# KiCad board Decent400-Wide.kicad_pcb
title: Decent400 keyboard; date: 2024-02-18; rev: 2w; company: Decent Consuting
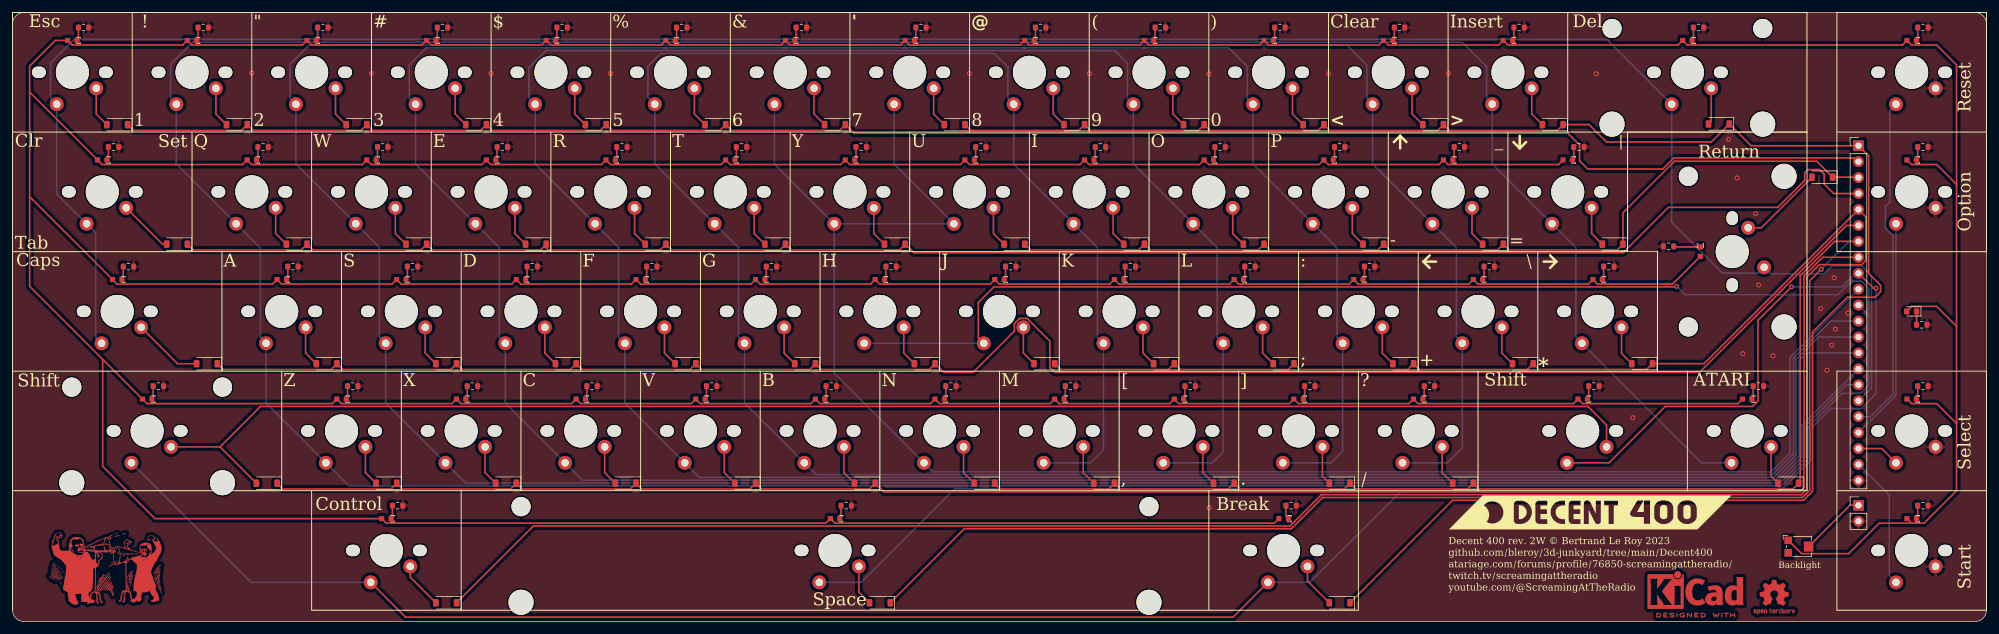
[diagram p0: board, top side]
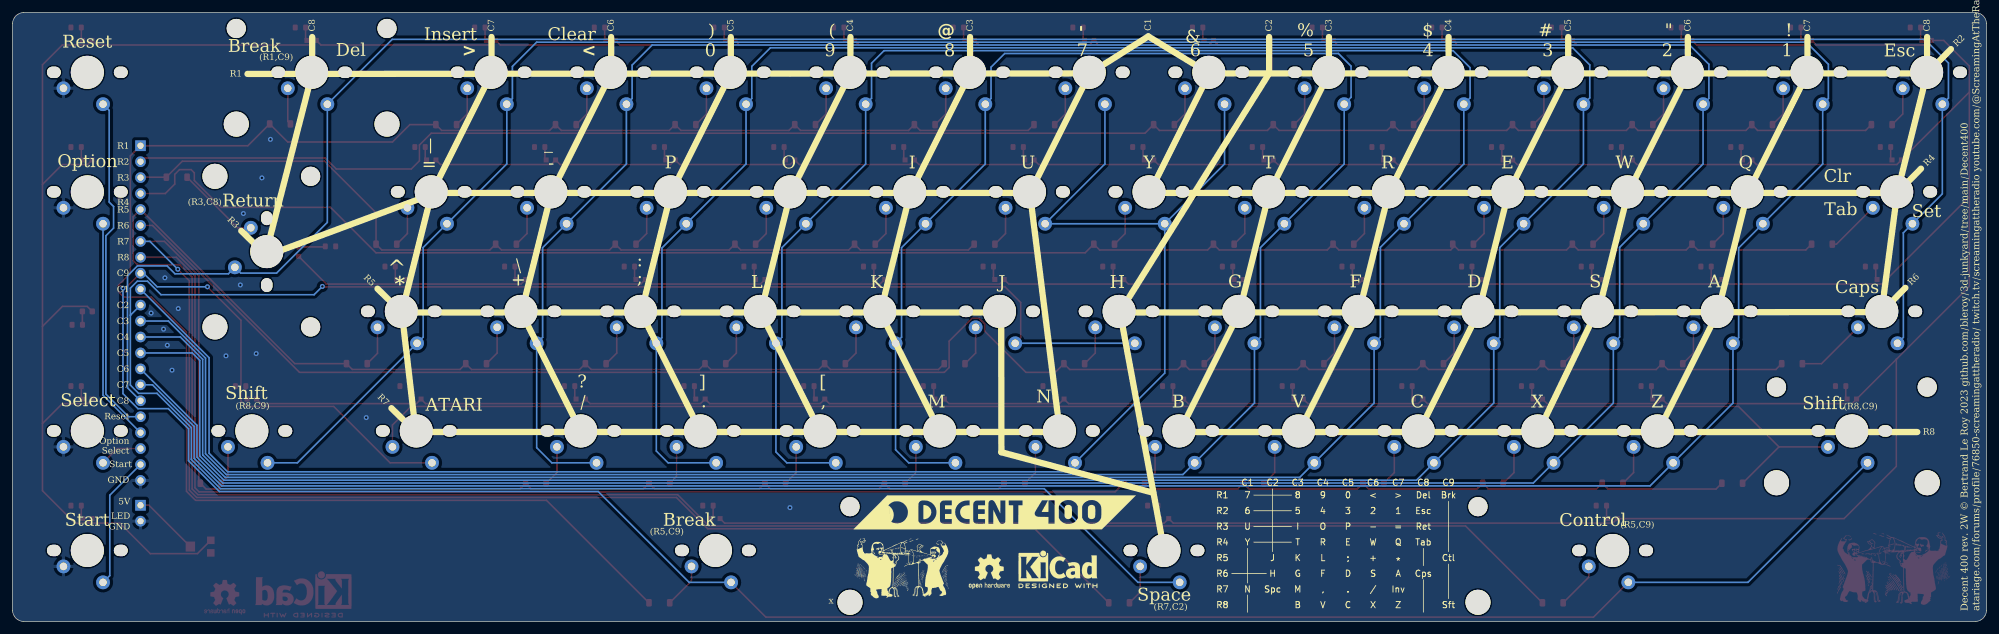
[diagram p1: board, bottom side, seen from below]

Outline 314.33 x 97.04 mm; copper layers: Top, Bottom. Coordinates in mm from the lower left corner of the outline.
Outline path: 0,95.25 arc(0.52,96.51) 1.79,97.04 312.54,97.04 arc(313.8,96.51) 314.33,95.25 314.33,1.79 arc(313.8,0.52) 312.54,0 1.79,0 arc(0.52,0.52) 0,1.79 0,95.25

## Placement (name value [footprint] x y rotation side)
D1  1N4148W  [D_SOD-123]  211.33 2.98 180 top
D2  1N4148W  [D_SOD-123]  69.06 2.98 180 top
D3  1N4148W  [D_SOD-123]  40.48 22.03 180 top
D4  1N4148W  [D_SOD-123]  150.02 79.18 180 top
D5  1N4148W  [D_SOD-123]  130.97 79.18 180 top
D6  1N4148W  [D_SOD-123]  159.54 60.13 180 top
D7  1N4148W  [D_SOD-123]  140.49 60.13 180 top
D8  1N4148W  [D_SOD-123]  154.78 22.03 180 top
D9  1N4148W  [D_SOD-123]  164.31 41.08 180 top
D10  1N4148W  [D_SOD-123]  145.26 41.08 180 top
D11  1N4148W  [D_SOD-123]  138.11 2.98 180 top
D12  1N4148W  [D_SOD-123]  169.07 79.18 180 top
D13  1N4148W  [D_SOD-123]  111.92 79.18 180 top
D14  1N4148W  [D_SOD-123]  178.59 60.13 180 top
D15  1N4148W  [D_SOD-123]  121.44 60.13 180 top
D16  1N4148W  [D_SOD-123]  183.36 41.08 180 top
D17  1N4148W  [D_SOD-123]  126.21 41.08 180 top
D18  1N4148W  [D_SOD-123]  173.83 22.03 180 top
D19  1N4148W  [D_SOD-123]  135.73 22.03 180 top
D20  1N4148W  [D_SOD-123]  188.12 79.18 180 top
D21  1N4148W  [D_SOD-123]  92.87 79.18 180 top
D22  1N4148W  [D_SOD-123]  197.64 60.13 180 top
D23  1N4148W  [D_SOD-123]  102.39 60.13 180 top
D24  1N4148W  [D_SOD-123]  202.41 41.08 180 top
D25  1N4148W  [D_SOD-123]  107.16 41.08 180 top
D26  1N4148W  [D_SOD-123]  192.88 22.03 180 top
D27  1N4148W  [D_SOD-123]  116.68 22.03 180 top
D28  1N4148W  [D_SOD-123]  207.17 79.18 180 top
D29  1N4148W  [D_SOD-123]  73.82 79.18 180 top
D30  1N4148W  [D_SOD-123]  216.69 60.13 180 top
D31  1N4148W  [D_SOD-123]  83.34 60.13 180 top
D32  1N4148W  [D_SOD-123]  221.46 41.08 180 top
D33  1N4148W  [D_SOD-123]  88.11 41.08 180 top
D34  1N4148W  [D_SOD-123]  211.34 22.03 180 top
D35  1N4148W  [D_SOD-123]  97.63 22.03 180 top
D36  1N4148W  [D_SOD-123]  226.22 79.18 180 top
D37  1N4148W  [D_SOD-123]  54.77 79.18 180 top
D38  1N4148W  [D_SOD-123]  235.74 60.13 180 top
D39  1N4148W  [D_SOD-123]  64.29 60.13 180 top
D40  1N4148W  [D_SOD-123]  240.51 41.08 180 top
D41  1N4148W  [D_SOD-123]  69.06 41.08 180 top
D42  1N4148W  [D_SOD-123]  230.98 22.03 180 top
D43  1N4148W  [D_SOD-123]  78.58 22.03 180 top
D44  1N4148W  [D_SOD-123]  245.27 79.18 180 top
D45  1N4148W  [D_SOD-123]  35.72 79.18 180 top
D46  1N4148W  [D_SOD-123]  254.79 60.13 180 top
D47  1N4148W  [D_SOD-123]  45.24 60.13 180 top
D48  1N4148W  [D_SOD-123]  259.5 41.09 180 top
D49  1N4148W  [D_SOD-123]  50.01 41.08 180 top
D50  1N4148W  [D_SOD-123]  282.77 22.03 180 top
D51  1N4148W  [D_SOD-123]  59.53 22.03 180 top
D52  1N4148W  [D_SOD-123]  271.73 79.29 180 top
D53  1N4148W  [D_SOD-123]  16.67 79.18 180 top
D54  1N4148W  [D_SOD-123]  288.19 70.8 180 top
D55  1N4148W  [D_SOD-123]  26.19 60.13 180 top
D56  1N4148W  [D_SOD-123]  30.96 41.08 180 top
D57  LED  [LED_0603_1608Metric]  302.42 49.41 180 top
G***  LOGO  [ScreamingAtTheRadio]  14.89 9.49 0 top
G***#2  -  [LOGO]  251.22 17.39 0 top
G***#3  -  [LOGO]  157.92 17.4 180 bottom
G***#4  -  [LOGO]  172.79 8.49 180 bottom
J1  Conn_01x22  [PinHeader_1x22_P2.54mm_Vertical]  293.95 75.81 0 top
J2  Conn_01x02_Pin  [PinHeader_1x02_P2.54mm_Vertical]  293.95 18.52 0 top
R1  100  [R_0603_1608Metric]  203.59 18.45 0 top
R2  100  [R_0603_1608Metric]  61.32 18.45 0 top
R3  100  [R_0603_1608Metric]  304.02 47.28 0 top
R4  100  [R_0603_1608Metric]  23.22 37.5 0 top
R5  100  [R_0603_1608Metric]  251.82 37.5 0 top
R6  100  [R_0603_1608Metric]  144.66 94.65 0 top
R7  100  [R_0603_1608Metric]  125.61 94.65 0 top
R8  100  [R_0603_1608Metric]  154.19 75.6 0 top
R9  100  [R_0603_1608Metric]  135.14 75.6 0 top
R10  100  [R_0603_1608Metric]  149.42 37.5 0 top
R11  100  [R_0603_1608Metric]  158.95 56.55 0 top
R12  100  [R_0603_1608Metric]  139.9 56.55 0 top
R13  100  [R_0603_1608Metric]  132.75 18.45 0 top
R14  100  [R_0603_1608Metric]  163.71 94.65 0 top
R15  100  [R_0603_1608Metric]  106.56 94.65 0 top
R16  100  [R_0603_1608Metric]  173.24 75.6 0 top
R17  100  [R_0603_1608Metric]  116.09 75.6 0 top
R18  100  [R_0603_1608Metric]  178 56.55 0 top
R19  100  [R_0603_1608Metric]  120.85 56.55 0 top
R20  100  [R_0603_1608Metric]  168.47 37.5 0 top
R21  100  [R_0603_1608Metric]  130.37 37.5 0 top
R22  100  [R_0603_1608Metric]  182.76 94.65 0 top
R23  100  [R_0603_1608Metric]  87.51 94.65 0 top
R24  100  [R_0603_1608Metric]  192.29 75.6 0 top
R25  100  [R_0603_1608Metric]  97.04 75.6 0 top
R26  100  [R_0603_1608Metric]  197.05 56.55 0 top
R27  100  [R_0603_1608Metric]  101.8 56.55 0 top
R28  100  [R_0603_1608Metric]  187.52 37.5 0 top
R29  100  [R_0603_1608Metric]  111.32 37.5 0 top
R30  100  [R_0603_1608Metric]  201.81 94.65 0 top
R31  100  [R_0603_1608Metric]  68.46 94.65 0 top
R32  100  [R_0603_1608Metric]  211.34 75.6 0 top
R33  100  [R_0603_1608Metric]  77.99 75.6 0 top
R34  100  [R_0603_1608Metric]  216.1 56.55 0 top
R35  100  [R_0603_1608Metric]  82.75 56.55 0 top
R36  100  [R_0603_1608Metric]  206.57 37.5 0 top
R37  100  [R_0603_1608Metric]  92.27 37.5 0 top
R38  100  [R_0603_1608Metric]  220.86 94.65 0 top
R39  100  [R_0603_1608Metric]  49.41 94.65 0 top
R40  100  [R_0603_1608Metric]  230.39 75.6 0 top
R41  100  [R_0603_1608Metric]  58.94 75.6 0 top
R42  100  [R_0603_1608Metric]  235.15 56.55 0 top
R43  100  [R_0603_1608Metric]  63.7 56.55 0 top
R44  100  [R_0603_1608Metric]  225.62 37.5 0 top
R45  100  [R_0603_1608Metric]  73.22 37.5 0 top
R46  100  [R_0603_1608Metric]  239.91 94.65 0 top
R47  100  [R_0603_1608Metric]  30.36 94.65 0 top
R48  100  [R_0603_1608Metric]  249.44 75.6 0 top
R49  100  [R_0603_1608Metric]  39.89 75.6 0 top
R50  100  [R_0603_1608Metric]  254.2 56.55 0 top
R51  100  [R_0603_1608Metric]  44.65 56.55 0 top
R52  100  [R_0603_1608Metric]  278.01 37.5 0 top
R53  100  [R_0603_1608Metric]  54.17 37.5 0 top
R54  100  [R_0603_1608Metric]  268.49 94.65 0 top
R55  100  [R_0603_1608Metric]  11.31 94.65 0 top
R56  100  [R_0603_1608Metric]  263.7 59.78 180 top
R57  100  [R_0603_1608Metric]  16.07 75.6 0 top
R58  100  [R_0603_1608Metric]  18.45 56.55 0 top
R61  100  [R_0603_1608Metric]  304.2 18.45 0 top
R62  100  [R_0603_1608Metric]  304.2 37.5 0 top
R63  100  [R_0603_1608Metric]  304.2 75.6 0 top
R64  100  [R_0603_1608Metric]  304.2 94.65 0 top
REF**  -  [Arrow]  225.66 57.34 180 top
REF**#2  -  [Arrow]  244.84 57.34 0 top
REF**#3  -  [Arrow]  240.01 76.39 270 top
REF**#4  -  [KiCad-Logo2_6mm_Copper]  268.01 5.01 0 top
REF**#5  -  [Arrow]  220.96 76.39 90 top
REF**#6  -  [OSHW-Logo2_7.3x6mm_Copper]  280.53 3.86 0 top
REF**#7  -  [OSHW-Logo2_7.3x6mm_SilkScreen]  158.78 7.94 180 bottom
REF**#8  -  [Atari400_Matrix]  103.45 11.64 180 bottom
REF**#9  -  [KiCad-Logo2_5mm_SilkScreen]  147.86 8.32 180 bottom
RV1  R_Potentiometer  [Potentiometer_Bourns_TC33X_Vertical]  284.56 11.93 0 top
SW0  0  [MX-1-00U-LED]  200.02 92.59 0 top
SW1  1  [MX-1-00U-LED]  28.57 92.59 0 top
SW2  2  [MX-1-00U-LED]  47.62 92.59 0 top
SW3  3  [MX-1-00U-LED]  66.67 92.59 0 top
SW4  4  [MX-1-00U-LED]  85.72 92.59 0 top
SW5  5  [MX-1-00U-LED]  104.77 92.59 0 top
SW6  6  [MX-1-00U-LED]  123.82 92.59 0 top
SW7  7  [MX-1-00U-LED]  142.87 92.59 0 top
SW8  8  [MX-1-00U-LED]  161.92 92.59 0 top
SW9  9  [MX-1-00U-LED]  180.97 92.59 0 top
SWA1  A  [MX-1-00U-LED]  42.86 54.49 0 top
SWB1  B  [MX-1-00U-LED]  128.59 35.44 0 top
SWBrk1  Break  [MX-1-25U-LED]  202.41 16.39 0 top
SWC1  C  [MX-1-00U-LED]  90.49 35.44 0 top
SWComma1  Comma  [MX-1-00U-LED]  185.74 35.44 0 top
SWCps1  Caps  [MX-1-75U-LED]  16.67 54.49 0 top
SWCtl1  Control  [MX-1-25U-LED]  59.53 16.39 0 top
SWD1  D  [MX-1-00U-LED]  80.96 54.49 0 top
SWDash1  Dash  [MX-1-00U-LED]  228.6 73.54 0 top
SWDel1  Del  [MX-2-00U-LED]  266.7 92.59 0 top
SWE1  E  [MX-1-00U-LED]  76.2 73.54 0 top
SWEqual1  Equal  [MX-1-00U-LED]  247.65 73.54 0 top
SWEsc1  Esc  [MX-1-00U-LED]  9.52 92.59 0 top
SWF1  F  [MX-1-00U-LED]  100.01 54.49 0 top
SWG1  G  [MX-1-00U-LED]  119.06 54.49 0 top
SWGT1  GreaterThan  [MX-1-00U-LED]  238.12 92.59 0 top
SWH1  H  [MX-1-00U-LED]  138.11 54.49 0 top
SWI1  I  [MX-1-00U-LED]  171.45 73.54 0 top
SWInv1  Atari  [MX-1-00U-LED]  276.22 35.44 0 top
SWJ1  J  [MX-1-00U-LED]  157.16 54.49 0 top
SWK1  K  [MX-1-00U-LED]  176.21 54.49 0 top
SWL1  L  [MX-1-00U-LED]  195.26 54.49 0 top
SWLeftSft1  Shift  [MX-2-25U-LED]  21.43 35.44 0 top
SWLT1  LessThan  [MX-1-00U-LED]  219.07 92.59 0 top
SWM1  M  [MX-1-00U-LED]  166.69 35.44 0 top
SWN1  N  [MX-1-00U-LED]  147.64 35.44 0 top
SWO1  O  [MX-1-00U-LED]  190.5 73.54 0 top
SWOption1  Option  [MX-1-25U-LED]  302.42 73.54 0 top
SWP1  P  [MX-1-00U-LED]  209.55 73.54 0 top
SWPeriod1  Period  [MX-1-00U-LED]  204.79 35.44 0 top
SWPlus1  Plus  [MX-1-00U-LED]  233.36 54.49 0 top
SWQ1  Q  [MX-1-00U-LED]  38.1 73.54 0 top
SWR1  R  [MX-1-00U-LED]  95.25 73.54 0 top
SWReset1  Reset  [MX-1-25U-LED]  302.42 92.59 0 top
SWRet1  Return  [MX-ISO-RETURN]  268.76 58.94 0 top
SWRightSft1  Shift  [MX-1-75U-LED]  250.03 35.44 0 top
SWS1  S  [MX-1-00U-LED]  61.91 54.49 0 top
SWSelect1  Select  [MX-1-25U-LED]  302.42 35.44 0 top
SWSemi1  Semicolon  [MX-1-00U-LED]  214.31 54.49 0 top
SWSlash1  Slash  [MX-1-00U-LED]  223.84 35.44 0 top
SWSpc1  Space  [MX-6-25U-LED]  130.97 16.39 0 top
SWStar1  Star  [MX-1-00U-LED]  252.41 54.49 0 top
SWStart1  Start  [MX-1-25U-LED]  302.42 16.39 0 top
SWT1  T  [MX-1-00U-LED]  114.3 73.54 0 top
SWTab1  Tab  [MX-1-50U-LED]  14.29 73.54 0 top
SWU1  U  [MX-1-00U-LED]  152.4 73.54 0 top
SWV1  V  [MX-1-00U-LED]  109.54 35.44 0 top
SWW1  W  [MX-1-00U-LED]  57.15 73.54 0 top
SWX1  X  [MX-1-00U-LED]  71.44 35.44 0 top
SWY1  Y  [MX-1-00U-LED]  133.35 73.54 0 top
SWZ1  Z  [MX-1-00U-LED]  52.39 35.44 0 top

## Library data of the parts
D1-D56 = -: Datasheet: https://www.vishay.com/docs/85748/1n4148w.pdf; JLCPCB Part #: C81598; ki_fp_filters: D*SOD?123*
D57 = -: JLCPCB Part #: C2286; ki_fp_filters: LED* LED_SMD:* LED_THT:*
J1 J2 = -: ki_fp_filters: Connector*:*_1x??_*
R1-R58 R61-R64 = -: JLCPCB Part #: C22775; ki_fp_filters: R_*
RV1 = -: JLCPCB Part #: C720647; JLCPCB Rotation Offset: 90; Field6: Wiper may be / anywhere within / circle shown; ki_fp_filters: Potentiometer*
SW0-SW9 SWA1 SWB1 SWBrk1 SWC1 SWComma1 SWCps1 SWCtl1 SWD1 SWDash1 SWDel1 SWE1 SWEqual1 SWEsc1 SWF1 SWG1 SWGT1 SWH1 SWI1 SWInv1 SWJ1 SWK1 SWL1 SWLeftSft1 SWLT1 SWM1 SWN1 SWO1 SWOption1 SWP1 SWPeriod1 SWPlus1 SWQ1 SWR1 SWReset1 SWRightSft1 SWS1 SWSelect1 SWSemi1 SWSlash1 SWSpc1 SWStar1 SWStart1 SWT1 SWTab1 SWU1 SWV1 SWW1 SWX1 SWY1 SWZ1 = -: JLCPCB Part #: C193191; JLCPCB Rotation Offset: 180
SWRet1 = -: JLCPCB Part #: C193191; JLCPCB Rotation Offset: 270

## Footprints (pads in the part's own frame, mm; a bottom-side part is the same pattern mirrored in y, then rotated)
D_SOD-123
  rrect 0.9x1.2 smd: 1(-1.65,0) 2(1.65,0)
LED_0603_1608Metric
  rrect 0.875x0.95 smd: 1(-0.787,0) 2(0.787,0)
MX-1-00U-LED
  oval 2.2x1.8 hole 2.2x1.8 unplated: (-5.33,-5.08) (5.33,-5.08)
  round 5.25 hole 5.25 unplated: (0,-5.08)
  round 2.2 hole 1.2: 1(-2.5,-10.16) 2(3.8,-7.62)
  rect 0.8x0.8 smd: 3(0.75,0) 4(-0.75,0)
MX-1-25U-LED
  oval 2.2x1.8 hole 2.2x1.8 unplated: (-5.33,-5.08) (5.33,-5.08)
  round 5.25 hole 5.25 unplated: (0,-5.08)
  round 2.2 hole 1.2: 1(-2.5,-10.16) 2(3.8,-7.62)
  rect 0.8x0.8 smd: 3(0.75,0) 4(-0.75,0)
MX-1-50U-LED
  oval 2.2x1.8 hole 2.2x1.8 unplated: (-5.33,-5.08) (5.33,-5.08)
  round 5.25 hole 5.25 unplated: (0,-5.08)
  round 2.2 hole 1.2: 1(-2.5,-10.16) 2(3.8,-7.62)
  rect 0.8x0.8 smd: 3(0.75,0) 4(-0.75,0)
MX-1-75U-LED
  oval 2.2x1.8 hole 2.2x1.8 unplated: (-5.33,-5.08) (5.33,-5.08)
  round 5.25 hole 5.25 unplated: (0,-5.08)
  round 2.2 hole 1.2: 1(-2.5,-10.16) 2(3.8,-7.62)
  rect 0.8x0.8 smd: 3(0.75,0) 4(-0.75,0)
MX-2-00U-LED
  round 3.048 hole 3.048 unplated: (-12,1.905) (12,1.905)
  round 3.988 hole 3.988 unplated: (-12,-13.335) (12,-13.335)
  oval 2.2x1.8 hole 2.2x1.8 unplated: (-5.33,-5.08) (5.33,-5.08)
  round 5.25 hole 5.25 unplated: (0,-5.08)
  round 2.2 hole 1.2: 1(-2.5,-10.16) 2(3.8,-7.62)
  rect 0.8x0.8 smd: 3(0.75,0) 4(-0.75,0)
MX-2-25U-LED
  round 3.048 hole 3.048 unplated: (-12,1.905) (12,1.905)
  round 3.988 hole 3.988 unplated: (-12,-13.335) (12,-13.335)
  oval 2.2x1.8 hole 2.2x1.8 unplated: (-5.33,-5.08) (5.33,-5.08)
  round 5.25 hole 5.25 unplated: (0,-5.08)
  round 2.2 hole 1.2: 1(-2.5,-10.16) 2(3.8,-7.62)
  rect 0.8x0.8 smd: 3(0.75,0) 4(-0.75,0)
MX-6-25U-LED
  round 3.048 hole 3.048 unplated: (-50,1.905) (50,1.905)
  round 3.988 hole 3.988 unplated: (-50,-13.335) (50,-13.335)
  oval 2.2x1.8 hole 2.2x1.8 unplated: (-5.33,-5.08) (5.33,-5.08)
  round 5.25 hole 5.25 unplated: (0,-5.08)
  round 2.2 hole 1.2: 1(-2.5,-10.16) 2(3.8,-7.62)
  rect 0.8x0.8 smd: 3(0.75,0) 4(-0.75,0)
MX-ISO-RETURN
  round 3.048 hole 3.048 unplated: (-1.905,12) (-1.905,-12)
  oval 1.8x2.2 hole 1.8x2.2 unplated: (5.08,5.33) (5.08,-5.33)
  round 5.25 hole 5.25 unplated: (5.08,0)
  round 3.988 hole 3.988 unplated: (13.335,12) (13.335,-12)
  round 2.2 hole 1.2: 1(10.16,-2.5) 2(7.62,3.8)
  rect 0.8x0.8 smd: 3(0,0.75) 4(0,-0.75)
PinHeader_1x02_P2.54mm_Vertical
  rect 1.7x1.7 hole 1: 1(0,0)
  oval 1.7x1.7 hole 1: 2(0,-2.54)
PinHeader_1x22_P2.54mm_Vertical
  rect 1.7x1.7 hole 1: 1(0,0)
  oval 1.7x1.7 hole 1: 2(0,-2.54) 3(0,-5.08) 4(0,-7.62) 5(0,-10.16) 6(0,-12.7) 7(0,-15.24) 8(0,-17.78) 9(0,-20.32) 10(0,-22.86) 11(0,-25.4) 12(0,-27.94) 13(0,-30.48) 14(0,-33.02) 15(0,-35.56) 16(0,-38.1) 17(0,-40.64) 18(0,-43.18) 19(0,-45.72) 20(0,-48.26) 21(0,-50.8) 22(0,-53.34)
Potentiometer_Bourns_TC33X_Vertical
  rect 1.2x1.2 smd: 1(-1.8,1) 3(-1.8,-1)
  rect 1.5x1.6 smd: 2(1.45,0)
R_0603_1608Metric
  rrect 0.8x0.95 smd: 1(-0.825,0) 2(0.825,0)

## Nets
5V: J2.1 RV1.2
GND: J1.22 J2.2 R1.2 R2.2 R3.2 R4.2 R5.2 R6.2 R7.2 R8.2 R9.2 R10.2 R11.2 R12.2 R13.2 R14.2 R15.2 R16.2 R17.2 R18.2 R19.2 R20.2 R21.2 R22.2 R23.2 R24.2 R25.2 R26.2 R27.2 R28.2 R29.2 R30.2 R31.2 R32.2 R33.2 R34.2 R35.2 R36.2 R37.2 R38.2 R39.2 R40.2 R41.2 R42.2 R43.2 R44.2 R45.2 R46.2 R47.2 R48.2 R49.2 R50.2 R51.2 R52.2 R53.2 R54.2 R55.2 R56.2 R57.2 R58.2 R61.2 R62.2 R63.2 R64.2 SWOption1.2 SWReset1.2 SWSelect1.2 SWStart1.2
VCC_LED: D57.2 RV1.1 SW0.4 SW1.4 SW2.4 SW3.4 SW4.4 SW5.4 SW6.4 SW7.4 SW8.4 SW9.4 SWA1.4 SWB1.4 SWBrk1.4 SWC1.4 SWComma1.4 SWCps1.4 SWCtl1.4 SWD1.4 SWDash1.4 SWDel1.4 SWE1.4 SWEqual1.4 SWEsc1.4 SWF1.4 SWG1.4 SWGT1.4 SWH1.4 SWI1.4 SWInv1.4 SWJ1.4 SWK1.4 SWL1.4 SWLeftSft1.4 SWLT1.4 SWM1.4 SWN1.4 SWO1.4 SWOption1.4 SWP1.4 SWPeriod1.4 SWPlus1.4 SWQ1.4 SWR1.4 SWReset1.4 SWRet1.4 SWRightSft1.4 SWS1.4 SWSelect1.4 SWSemi1.4 SWSlash1.4 SWSpc1.4 SWStar1.4 SWStart1.4 SWT1.4 SWTab1.4 SWU1.4 SWV1.4 SWW1.4 SWX1.4 SWY1.4 SWZ1.4
COL_1: J1.10 SW6.1 SW7.1 SWN1.1 SWU1.1 SWY1.1
COL_2: J1.11 SWH1.1 SWJ1.1 SWSpc1.1
COL_3: J1.12 SW5.1 SW8.1 SWB1.1 SWG1.1 SWI1.1 SWK1.1 SWM1.1 SWT1.1
COL_4: J1.13 SW4.1 SW9.1 SWComma1.1 SWF1.1 SWL1.1 SWO1.1 SWR1.1 SWV1.1
COL_5: J1.14 SW0.1 SW3.1 SWC1.1 SWD1.1 SWE1.1 SWP1.1 SWPeriod1.1 SWSemi1.1
COL_6: J1.15 SW2.1 SWDash1.1 SWLT1.1 SWPlus1.1 SWS1.1 SWSlash1.1 SWW1.1 SWX1.1
COL_7: J1.16 SW1.1 SWA1.1 SWEqual1.1 SWGT1.1 SWInv1.1 SWQ1.1 SWStar1.1 SWZ1.1
COL_8: J1.17 SWCps1.1 SWDel1.1 SWEsc1.1 SWRet1.1 SWTab1.1
COL_9: J1.9 SWBrk1.1 SWCtl1.1 SWLeftSft1.1 SWRightSft1.1
OPTION: J1.19 SWOption1.1
RESET: J1.18 SWReset1.1
ROW_1: D1.1 D4.1 D12.1 D20.1 D28.1 D36.1 D44.1 D52.1 J1.1
ROW_2: D5.1 D13.1 D21.1 D29.1 D37.1 D45.1 D53.1 J1.2
ROW_3: D6.1 D14.1 D22.1 D30.1 D38.1 D46.1 D54.1 J1.3
ROW_4: D7.1 D15.1 D23.1 D31.1 D39.1 D47.1 D55.1 J1.4
ROW_5: D2.1 D9.1 D16.1 D24.1 D32.1 D40.1 D48.1 J1.5
ROW_6: D10.1 D17.1 D25.1 D33.1 D41.1 D49.1 D56.1 J1.6
ROW_7: D8.1 D11.1 D18.1 D26.1 D34.1 D42.1 D50.1 J1.7
ROW_8: D3.1 D19.1 D27.1 D35.1 D43.1 D51.1 J1.8
SELECT: J1.20 SWSelect1.1
START: J1.21 SWStart1.1
Net-(D1-A): D1.2 SWBrk1.2
Net-(D2-A): D2.2 SWCtl1.2
Net-(D3-A): D3.2 SWLeftSft1.2 SWRightSft1.2
Net-(D4-A): D4.2 SW7.2
Net-(D5-A): D5.2 SW6.2
Net-(D6-A): D6.2 SWU1.2
Net-(D7-A): D7.2 SWY1.2
Net-(D8-A): D8.2 SWN1.2
Net-(D9-A): D9.2 SWJ1.2
Net-(D10-A): D10.2 SWH1.2
Net-(D11-A): D11.2 SWSpc1.2
Net-(D12-A): D12.2 SW8.2
Net-(D13-A): D13.2 SW5.2
Net-(D14-A): D14.2 SWI1.2
Net-(D15-A): D15.2 SWT1.2
Net-(D16-A): D16.2 SWK1.2
Net-(D17-A): D17.2 SWG1.2
Net-(D18-A): D18.2 SWM1.2
Net-(D19-A): D19.2 SWB1.2
Net-(D20-A): D20.2 SW9.2
Net-(D21-A): D21.2 SW4.2
Net-(D22-A): D22.2 SWO1.2
Net-(D23-A): D23.2 SWR1.2
Net-(D24-A): D24.2 SWL1.2
Net-(D25-A): D25.2 SWF1.2
Net-(D26-A): D26.2 SWComma1.2
Net-(D27-A): D27.2 SWV1.2
Net-(D28-A): D28.2 SW0.2
Net-(D29-A): D29.2 SW3.2
Net-(D30-A): D30.2 SWP1.2
Net-(D31-A): D31.2 SWE1.2
Net-(D32-A): D32.2 SWSemi1.2
Net-(D33-A): D33.2 SWD1.2
Net-(D34-A): D34.2 SWPeriod1.2
Net-(D35-A): D35.2 SWC1.2
Net-(D36-A): D36.2 SWLT1.2
Net-(D37-A): D37.2 SW2.2
Net-(D38-A): D38.2 SWDash1.2
Net-(D39-A): D39.2 SWW1.2
Net-(D40-A): D40.2 SWPlus1.2
Net-(D41-A): D41.2 SWS1.2
Net-(D42-A): D42.2 SWSlash1.2
Net-(D43-A): D43.2 SWX1.2
Net-(D44-A): D44.2 SWGT1.2
Net-(D45-A): D45.2 SW1.2
Net-(D46-A): D46.2 SWEqual1.2
Net-(D47-A): D47.2 SWQ1.2
Net-(D48-A): D48.2 SWStar1.2
Net-(D49-A): D49.2 SWA1.2
Net-(D50-A): D50.2 SWInv1.2
Net-(D51-A): D51.2 SWZ1.2
Net-(D52-A): D52.2 SWDel1.2
Net-(D53-A): D53.2 SWEsc1.2
Net-(D54-A): D54.2 SWRet1.2
Net-(D55-A): D55.2 SWTab1.2
Net-(D56-A): D56.2 SWCps1.2
Net-(D57-K): D57.1 R3.1
Net-(R1-Pad1): R1.1 SWBrk1.3
Net-(R2-Pad1): R2.1 SWCtl1.3
Net-(R4-Pad1): R4.1 SWLeftSft1.3
Net-(R5-Pad1): R5.1 SWRightSft1.3
Net-(R6-Pad1): R6.1 SW7.3
Net-(R7-Pad1): R7.1 SW6.3
Net-(R8-Pad1): R8.1 SWU1.3
Net-(R9-Pad1): R9.1 SWY1.3
Net-(R10-Pad1): R10.1 SWN1.3
Net-(R11-Pad1): R11.1 SWJ1.3
Net-(R12-Pad1): R12.1 SWH1.3
Net-(R13-Pad1): R13.1 SWSpc1.3
Net-(R14-Pad1): R14.1 SW8.3
Net-(R15-Pad1): R15.1 SW5.3
Net-(R16-Pad1): R16.1 SWI1.3
Net-(R17-Pad1): R17.1 SWT1.3
Net-(R18-Pad1): R18.1 SWK1.3
Net-(R19-Pad1): R19.1 SWG1.3
Net-(R20-Pad1): R20.1 SWM1.3
Net-(R21-Pad1): R21.1 SWB1.3
Net-(R22-Pad1): R22.1 SW9.3
Net-(R23-Pad1): R23.1 SW4.3
Net-(R24-Pad1): R24.1 SWO1.3
Net-(R25-Pad1): R25.1 SWR1.3
Net-(R26-Pad1): R26.1 SWL1.3
Net-(R27-Pad1): R27.1 SWF1.3
Net-(R28-Pad1): R28.1 SWComma1.3
Net-(R29-Pad1): R29.1 SWV1.3
Net-(R30-Pad1): R30.1 SW0.3
Net-(R31-Pad1): R31.1 SW3.3
Net-(R32-Pad1): R32.1 SWP1.3
Net-(R33-Pad1): R33.1 SWE1.3
Net-(R34-Pad1): R34.1 SWSemi1.3
Net-(R35-Pad1): R35.1 SWD1.3
Net-(R36-Pad1): R36.1 SWPeriod1.3
Net-(R37-Pad1): R37.1 SWC1.3
Net-(R38-Pad1): R38.1 SWLT1.3
Net-(R39-Pad1): R39.1 SW2.3
Net-(R40-Pad1): R40.1 SWDash1.3
Net-(R41-Pad1): R41.1 SWW1.3
Net-(R42-Pad1): R42.1 SWPlus1.3
Net-(R43-Pad1): R43.1 SWS1.3
Net-(R44-Pad1): R44.1 SWSlash1.3
Net-(R45-Pad1): R45.1 SWX1.3
Net-(R46-Pad1): R46.1 SWGT1.3
Net-(R47-Pad1): R47.1 SW1.3
Net-(R48-Pad1): R48.1 SWEqual1.3
Net-(R49-Pad1): R49.1 SWQ1.3
Net-(R50-Pad1): R50.1 SWStar1.3
Net-(R51-Pad1): R51.1 SWA1.3
Net-(R52-Pad1): R52.1 SWInv1.3
Net-(R53-Pad1): R53.1 SWZ1.3
Net-(R54-Pad1): R54.1 SWDel1.3
Net-(R55-Pad1): R55.1 SWEsc1.3
Net-(R56-Pad1): R56.1 SWRet1.3
Net-(R57-Pad1): R57.1 SWTab1.3
Net-(R58-Pad1): R58.1 SWCps1.3
Net-(R61-Pad1): R61.1 SWStart1.3
Net-(R62-Pad1): R62.1 SWSelect1.3
Net-(R63-Pad1): R63.1 SWOption1.3
Net-(R64-Pad1): R64.1 SWReset1.3

Pads without a net: RV1 3

## Via types
v1: diameter 0.8, hole 0.4, Top to Bottom, 28 vias

## Routing (per net, layer and track width the routed paths; a pad name or vN(x,y) marks a point on that pad's centre or on a via; arc(x,y) is an arc through that point)
5V: length 10.7
  Top w0.25: J2.1 292.6,18.52 RV1.2
GND:
  vias: v1(38.1,87.41) v1(57.17,87.37) v1(76.19,87.34) v1(95.22,87.34) v1(152.37,87.34) v1(171.45,87.34) v1(190.49,87.27) v1(190.53,18.14) v1(209.56,87.31) v1(228.61,87.34) v1(252.19,87.31) v1(258.01,32.49) v1(273.26,76.83) v1(274.62,70.69) v1(275.53,42.69) v1(277.57,65.01) v1(278.05,53.63) v1(280.34,42.33) v1(287.94,49.87) v1(288.93,40.05) v1(289.68,44.03) v1(290.07,54.77) v1(290.28,46.59) v1(292.26,49.15)
VCC_LED: length 1516.1
  Top w0.25: 2.72,67.69 SWCps1.4 16.64,53.77 41.39,53.77 SWA1.4 42.84,53.77 60.44,53.77 SWS1.4 61.89,53.77 79.49,53.77 SWD1.4 80.94,53.77 98.54,53.77 SWF1.4 99.99,53.77 117.59,53.77 SWG1.4 119.04,53.77 136.64,53.77 SWH1.4 138.09,53.77 155.69,53.77 SWJ1.4 157.14,53.77 174.74,53.77 SWK1.4 176.19,53.77 193.79,53.77 SWL1.4 195.24,53.77 212.84,53.77 SWSemi1.4 214.29,53.77 231.89,53.77 SWPlus1.4 233.34,53.77 250.94,53.77 SWStar1.4 252.39,53.77 264.34,53.77 SWRet1.4 ; 2.72,67.69 2.72,53.4 14.35,41.77 ; 2.72,67.69 2.72,84.36 ; SWInv1.4 274.75,34.72 250.01,34.72 SWRightSft1.4 248.56,34.72 223.81,34.72 SWSlash1.4 222.36,34.72 204.76,34.72 SWPeriod1.4 203.31,34.72 185.71,34.72 SWComma1.4 184.26,34.72 166.66,34.72 SWM1.4 165.21,34.72 147.61,34.72 SWN1.4 146.16,34.72 128.56,34.72 SWB1.4 127.11,34.72 109.51,34.72 SWV1.4 108.06,34.72 90.46,34.72 SWC1.4 89.01,34.72 71.41,34.72 SWX1.4 69.96,34.72 52.36,34.72 SWZ1.4 50.91,34.72 21.41,34.72 SWLeftSft1.4 14.35,41.77 ; SWSelect1.4 302.39,34.72 306.4,34.72 309.56,31.55 ; 309.56,31.55 309.56,20.84 304.39,15.67 302.39,15.67 ; 309.56,31.55 309.56,47.03 ; 309.56,47.03 306.38,50.21 302.43,50.21 D57.2 ; 309.56,47.03 309.56,69.65 ; 14.35,41.77 14.35,24.72 22.67,16.39 SWCtl1.4 59.51,15.67 129.49,15.67 SWSpc1.4 130.94,15.67 200.93,15.67 SWBrk1.4 ; 302.39,15.67 SWStart1.4 ; 302.39,15.67 297.25,15.67 292.39,10.8 284.88,10.8 RV1.1 ; SWOption1.4 302.39,72.82 306.4,72.82 309.56,69.65 ; 309.56,69.65 309.56,88.7 306.4,91.87 302.39,91.87 SWReset1.4 300.94,91.87 266.67,91.87 SWDel1.4 265.22,91.87 238.1,91.87 SWGT1.4 236.65,91.87 219.05,91.87 SWLT1.4 217.6,91.87 200,91.87 SW0.4 198.55,91.87 180.95,91.87 SW9.4 179.5,91.87 161.9,91.87 SW8.4 160.45,91.87 142.85,91.87 SW7.4 141.4,91.87 123.8,91.87 SW6.4 122.35,91.87 104.75,91.87 SW5.4 103.3,91.87 85.7,91.87 SW4.4 84.25,91.87 66.65,91.87 SW3.4 65.2,91.87 47.6,91.87 SW2.4 46.15,91.87 28.55,91.87 SW1.4 27.1,91.87 9.5,91.87 SWEsc1.4 6.79,92.59 2.72,88.52 2.72,84.36 ; 2.72,84.36 SWTab1.4 14.26,72.82 36.62,72.82 SWQ1.4 38.07,72.82 55.67,72.82 SWW1.4 57.12,72.82 74.72,72.82 SWE1.4 76.17,72.82 93.77,72.82 SWR1.4 95.22,72.82 112.82,72.82 SWT1.4 114.27,72.82 131.87,72.82 SWY1.4 133.32,72.82 150.92,72.82 SWU1.4 152.37,72.82 169.97,72.82 SWI1.4 171.42,72.82 189.02,72.82 SWO1.4 190.47,72.82 208.07,72.82 SWP1.4 209.52,72.82 227.12,72.82 SWDash1.4 228.57,72.82 246.17,72.82 SWEqual1.4
COL_1: length 279.4
  Bottom w0.25: J1.10 283.03,42.03 283.03,26.8 280.09,23.86 146.56,23.86 130.85,39.57 SWY1.1 ; SWY1.1 121.32,72.91 SW6.1 ; SWY1.1 SWU1.1 140.37,72.91 SW7.1
COL_2: length 371.5
  Top w0.25: v1(264.99,53.39) 264.92,53.32 156.28,53.32 153.79,50.83 153.79,45.2 SWJ1.1
  Bottom w0.25: SWSpc1.1 135.12,6.23 150.04,21.16 281.21,21.16 285.86,25.81 285.86,30.89 291.32,36.35 294.25,36.35 295.57,37.67 295.57,48.79 ; 295.57,48.79 J1.11 ; 295.57,48.79 295.57,53.11 294.46,54.22 292.83,54.22 290.69,52.07 266.31,52.07 v1(264.99,53.39) ; SWH1.1 SWJ1.1
COL_3: length 398
  Bottom w0.25: J1.12 289.51,47.87 283.6,41.96 283.6,26.73 280.28,23.41 127.96,23.41 116.56,34.81 SWG1.1 115.61,45.28 115.61,59.57 SWT1.1 102.27,72.91 SW5.1 101.17,83.53 101.17,88.49 103.19,90.51 156.33,90.51 158.51,88.34 158.51,83.35 SW8.1 159.42,72.91 SWI1.1 172.76,59.57 172.76,45.28 SWK1.1 173.71,27.37 171.62,25.28 164.19,25.28
COL_4: length 455.1
  Bottom w0.25: 183.24,25.28 191.03,25.28 192.76,27.01 SWL1.1 191.82,45.27 191.82,59.56 SWO1.1 178.47,72.91 SW9.1 177.54,83.37 177.54,88.97 175.54,90.96 84.93,90.96 82.22,88.25 82.22,83.44 SW4.1 83.22,72.91 SWR1.1 96.51,59.62 96.51,45.33 SWF1.1 97.51,34.81 109.36,22.96 280.46,22.96 284.05,26.54 284.05,41.78 287.6,45.33 J1.13
COL_5: length 511.8
  Bottom w0.25: J1.14 285.7,42.79 284.51,41.6 284.51,26.37 280.65,22.51 90.76,22.51 78.46,34.81 SWD1.1 77.51,45.28 77.51,59.57 SWE1.1 64.17,72.91 SW3.1 63.17,83.44 63.17,88.7 65.88,91.41 193.65,91.41 196.61,88.46 196.61,83.35 SW0.1 197.52,72.91 SWP1.1 210.92,59.51 210.92,45.22 SWSemi1.1 211.81,27.16 209.93,25.28 202.29,25.28
COL_6: length 562.5
  Bottom w0.25: 221.34,25.28 228.45,25.28 230.86,27.69 SWPlus1.1 229.92,45.27 229.92,59.56 SWDash1.1 216.57,72.91 SWLT1.1 215.66,83.35 215.66,88.67 212.46,91.86 47.26,91.86 44.2,88.8 44.2,83.36 SW2.1 45.12,72.91 SWW1.1 58.41,59.62 58.41,45.33 SWS1.1 59.41,34.81 72.16,22.06 280.84,22.06 284.96,26.18 284.96,31.26 J1.15
COL_7: length 623.7
  Bottom w0.25: 293.95,37.71 292.05,37.71 285.41,31.07 285.41,25.99 281.02,21.61 53.56,21.61 40.36,34.81 SWA1.1 39.46,45.23 39.46,59.52 SWQ1.1 26.07,72.91 SW1.1 25.17,83.34 25.17,88.8 28.68,92.31 230.87,92.31 234.73,88.46 234.73,83.33 SWGT1.1 235.62,72.91 SWEqual1.1 248.94,59.59 248.94,45.3 SWStar1.1 268.96,25.28 273.72,25.28
COL_8: length 388.8
  Bottom w0.25: J1.17 296.02,37.24 296.02,55.08 294.44,56.67 289.72,56.67 288.46,55.41 279.95,55.41 SWRet1.1 277.99,55.51 272.29,55.51 264.2,63.6 SWDel1.1 253.87,92.76 9.81,92.76 6.05,89 6.05,83.41 SWEsc1.1 7.02,68.14 SWTab1.1 13.23,61.94 13.23,45.27 SWCps1.1
COL_9: length 392.3
  Top w0.25: v1(283.29,53.33) 277.95,47.99 277.95,35.14 277.08,34.27 263.19,34.27 254.2,25.28 247.53,25.28 ; v1(296.74,53.11) 296.33,53.11 293.95,55.49 ; SWBrk1.1 194.36,0.69 62.58,0.69 SWCtl1.1
  Bottom w0.25: SWCtl1.1 37.98,6.23 18.93,25.28 ; v1(296.74,53.11) 296.74,36.3 294.36,33.92 289.52,33.92 286.31,30.7 286.31,25.62 281.39,20.71 221.06,20.71 206.59,6.23 SWBrk1.1 ; 293.47,55.49 291.31,53.33 v1(283.29,53.33)
OPTION: length 35.8
  Bottom w0.25: J1.19 299.92,36.06 SWOption1.1
RESET: length 54.4
  Bottom w0.25: SWReset1.1 298.94,81.45 298.94,66.84 298.24,66.14 298.24,62.69 299.47,61.46 299.47,36.25 295.85,32.63 J1.18
ROW_1: length 294.5
  Top w0.25: D1.1 229.3,19.3 285.18,19.3 286.63,20.75 286.63,46.11 292.19,51.67 296.57,51.67 297.47,52.56 297.47,53.57 295.57,55.46 295.57,74.19 J1.1 276.85,75.81 D52.1 270.5,76.4 253.83,76.4 251.06,79.18 D44.1 245.99,78.25 228.79,78.25 D36.1 226.94,78.25 209.74,78.25 D28.1 207.89,78.25 190.69,78.25 D20.1 188.84,78.25 171.64,78.25 D12.1 169.79,78.25 152.59,78.25 D4.1
ROW_2: length 285.6
  Top w0.25: J1.2 293.36,73.86 264.53,73.86 262.78,72.11 250.83,72.11 249.54,73.4 249.54,75.92 247.66,77.8 133.99,77.8 D5.1 131.69,78.25 114.49,78.25 D13.1 112.64,78.25 95.44,78.25 D21.1 93.59,78.25 76.39,78.25 D29.1 74.54,78.25 57.34,78.25 D37.1 55.49,78.25 38.29,78.25 D45.1 36.44,78.25 19.24,78.25 D53.1
ROW_3: length 146
  Top w0.25: 293.88,70.8 D54.1 287.3,73.34 264.65,73.34 256.44,65.13 D46.1 255.52,59.2 238.32,59.2 D38.1 236.47,59.2 219.27,59.2 D30.1 217.42,59.2 200.22,59.2 D22.1 198.37,59.2 181.17,59.2 D14.1 179.32,59.2 162.12,59.2 D6.1
ROW_4: length 280.3
  Top w0.25: D55.1 28.77,59.2 45.97,59.2 D47.1 47.82,59.2 65.02,59.2 D39.1 66.87,59.2 84.07,59.2 D31.1 84.99,59.53 85.32,59.2 103.12,59.2 D23.1 104.97,59.2 122.17,59.2 D15.1 124.02,59.2 141.22,59.2 D7.1 143.52,58.75 256.45,58.75 263.69,65.99 281.1,65.99 285.38,70.27 285.38,71.5 285.89,72.01 287.74,72.01 288.5,71.25 288.5,69.7 290,68.19 293.95,68.19
ROW_5: length 417.4
  Top w0.25: D2.1 82.95,15.22 203.43,15.22 208.42,20.2 284.81,20.2 285.73,21.12 285.73,54.89 287.7,56.86 294.44,56.86 295.12,57.54 295.12,64.48 J1.5 269.38,41.09 D48.1 260.22,40.16 243.07,40.16 D40.1 241.23,40.15 224.03,40.15 D32.1 222.18,40.15 204.98,40.15 D24.1 203.13,40.15 185.93,40.15 D16.1 184.08,40.15 166.88,40.15 D9.1
ROW_6: length 286.5
  Top w0.25: J1.6 292.05,63.11 268.64,39.7 165.95,39.7 165.18,40.47 165.18,44.67 161.55,48.3 160.37,48.3 159.54,47.46 159.54,46.28 152.96,39.7 148.28,39.7 D10.1 145.98,40.15 128.78,40.15 D17.1 126.93,40.15 109.73,40.15 D25.1 107.88,40.15 90.68,40.15 D33.1 88.83,40.15 71.63,40.15 D41.1 69.78,40.15 52.58,40.15 D49.1 50.73,40.15 33.53,40.15 D56.1
ROW_7: length 373.8
  Top w0.25: D11.1 151.55,14.77 203.62,14.77 208.6,19.75 285,19.75 286.18,20.93 286.18,54.3 v1(288.01,56.13) ; J1.7 290.14,60.57 284.67,55.1 284.67,22.27 ; D8.1 157.36,21.1 174.56,21.1 D18.1 176.41,21.1 193.61,21.1 D26.1 195.46,21.1 212.06,21.1 D34.1 213.91,21.1 231.71,21.1 D42.1 233.56,21.1 283.5,21.1 D50.1
  Bottom w0.25: v1(288.01,56.13) 292.45,60.57 J1.7
ROW_8: length 291.5
  Top w0.25: D3.1 43.06,21.1 60.26,21.1 D51.1 62.11,21.1 79.31,21.1 D43.1 81.16,21.1 98.36,21.1 D35.1 100.21,21.1 117.41,21.1 D27.1 119.26,21.1 136.46,21.1 D19.1 138.76,20.65 284.63,20.65 285.28,21.31 285.28,55.07 288.24,58.03 J1.8
SELECT: length 6.9
  Top w0.25: 293.95,27.55 297.65,27.55 299.92,25.28
START: length 21.3
  Bottom w0.25: J1.21 298.85,20.11 298.85,7.3 SWStart1.1
Net-(D1-A): length 7.2
  Top w0.25: SWBrk1.2 206.21,6.45 D1.2
Net-(D2-A): length 7.5
  Top w0.25: SWCtl1.2 63.33,7.05 D2.2
Net-(D3-A): length 244.2
  Top w0.25: 33.04,27.82 39.48,34.27 250.87,34.27 253.83,31.3 SWRightSft1.2 ; 33.04,27.82 D3.2 ; 33.04,27.82 SWLeftSft1.2
Net-(D4-A): length 6.5
  Top w0.25: 146.67,84.97 146.67,80.87 D4.2
Net-(D5-A): length 6.5
  Top w0.25: D5.2 127.62,80.87 SW6.2
Net-(D6-A): length 6.5
  Top w0.25: SWU1.2 156.2,61.82 D6.2
Net-(D7-A): length 6.5
  Top w0.25: D7.2 137.15,61.82 SWY1.2
Net-(D8-A): length 6.5
  Top w0.25: SWN1.2 151.44,23.72 D8.2
Net-(D9-A): length 6.5
  Top w0.25: SWJ1.2 160.96,42.77 D9.2
Net-(D10-A): length 6.5
  Top w0.25: D10.2 141.91,42.77 SWH1.2
Net-(D11-A): length 6.5
  Top w0.25: SWSpc1.2 134.77,4.67 D11.2
Net-(D12-A): length 6.5
  Top w0.25: D12.2 165.72,80.87 SW8.2
Net-(D13-A): length 6.5
  Top w0.25: D13.2 108.57,80.87 SW5.2
Net-(D14-A): length 6.5
  Top w0.25: SWI1.2 175.25,61.82 D14.2
Net-(D15-A): length 6.5
  Top w0.25: SWT1.2 118.1,61.82 D15.2
Net-(D16-A): length 6.5
  Top w0.25: SWK1.2 180.01,42.77 D16.2
Net-(D17-A): length 6.5
  Top w0.25: D17.2 122.86,42.77 SWG1.2
Net-(D18-A): length 6.5
  Top w0.25: SWM1.2 170.49,23.72 D18.2
Net-(D19-A): length 6.5
  Top w0.25: SWB1.2 132.39,23.72 D19.2
Net-(D20-A): length 6.5
  Top w0.25: 184.77,84.97 184.77,80.87 D20.2
Net-(D21-A): length 6.5
  Top w0.25: D21.2 89.52,80.87 SW4.2
Net-(D22-A): length 6.5
  Top w0.25: SWO1.2 194.3,61.82 D22.2
Net-(D23-A): length 6.5
  Top w0.25: SWR1.2 99.05,61.82 D23.2
Net-(D24-A): length 6.5
  Top w0.25: SWL1.2 199.06,42.77 D24.2
Net-(D25-A): length 6.5
  Top w0.25: SWF1.2 103.81,42.77 D25.2
Net-(D26-A): length 6.5
  Top w0.25: D26.2 189.54,23.72 SWComma1.2
Net-(D27-A): length 6.5
  Top w0.25: D27.2 113.34,23.72 SWV1.2
Net-(D28-A): length 6.5
  Top w0.25: D28.2 203.82,80.87 SW0.2
Net-(D29-A): length 6.5
  Top w0.25: D29.2 70.47,80.87 SW3.2
Net-(D30-A): length 6.5
  Top w0.25: D30.2 213.35,61.82 SWP1.2
Net-(D31-A): length 6.5
  Top w0.25: SWE1.2 80,61.82 D31.2
Net-(D32-A): length 6.5
  Top w0.25: D32.2 218.11,42.77 SWSemi1.2
Net-(D33-A): length 6.5
  Top w0.25: SWD1.2 84.76,42.77 D33.2
Net-(D34-A): length 6.2
  Top w0.25: SWPeriod1.2 208.59,23.13 D34.2
Net-(D35-A): length 6.5
  Top w0.25: SWC1.2 94.29,23.72 D35.2
Net-(D36-A): length 6.5
  Top w0.25: SWLT1.2 222.87,80.87 D36.2
Net-(D37-A): length 6.5
  Top w0.25: D37.2 51.42,80.87 SW2.2
Net-(D38-A): length 6.5
  Top w0.25: SWDash1.2 232.4,61.82 D38.2
Net-(D39-A): length 6.5
  Top w0.25: SWW1.2 60.95,61.82 D39.2
Net-(D40-A): length 6.5
  Top w0.25: D40.2 237.16,42.77 SWPlus1.2
Net-(D41-A): length 6.5
  Top w0.25: SWS1.2 65.71,42.77 D41.2
Net-(D42-A): length 6.5
  Top w0.25: D42.2 227.64,23.72 SWSlash1.2
Net-(D43-A): length 6.5
  Top w0.25: D43.2 75.24,23.72 SWX1.2
Net-(D44-A): length 6.5
  Top w0.25: D44.2 241.92,80.87 SWGT1.2
Net-(D45-A): length 6.5
  Top w0.25: SW1.2 32.37,80.87 D45.2
Net-(D46-A): length 6.5
  Top w0.25: D46.2 251.45,61.82 SWEqual1.2
Net-(D47-A): length 6.5
  Top w0.25: D47.2 41.9,61.82 SWQ1.2
Net-(D48-A): length 6.5
  Top w0.25: D48.2 256.21,42.72 SWStar1.2
Net-(D49-A): length 6.5
  Top w0.25: D49.2 46.66,42.77 SWA1.2
Net-(D50-A): length 6.2
  Top w0.25: D50.2 280.02,23.13 SWInv1.2
Net-(D51-A): length 6.5
  Top w0.25: SWZ1.2 56.19,23.72 D51.2
Net-(D52-A): length 5.9
  Top w0.25: SWDel1.2 270.5,79.71 D52.2
Net-(D53-A): length 6.5
  Top w0.25: D53.2 13.32,80.87 SWEsc1.2
Net-(D54-A): length 13.5
  Top w0.25: SWRet1.2 278.48,62.74 D54.2
Net-(D55-A): length 8.9
  Top w0.25: SWTab1.2 23.88,60.13 D55.2
Net-(D56-A): length 11.2
  Top w0.25: D56.2 26.26,41.08 SWCps1.2
Net-(D57-K): length 2.1
  Top w0.25: D57.1 303.21,47.29 R3.1
Net-(R1-Pad1): length 2.2
  Top w0.25: SWBrk1.3 202.77,16.78 R1.1
Net-(R2-Pad1): length 1.9
  Top w0.25: R2.1 60.49,16.6
Net-(R4-Pad1): length 1.9
  Top w0.25: R4.1 22.39,35.65
Net-(R5-Pad1): length 1.9
  Top w0.25: R5.1 250.99,35.65
Net-(R6-Pad1): length 1.9
  Top w0.25: R6.1 143.84,92.8
Net-(R7-Pad1): length 1.9
  Top w0.25: R7.1 124.79,92.8
Net-(R8-Pad1): length 1.9
  Top w0.25: R8.1 153.36,73.75
Net-(R9-Pad1): length 1.9
  Top w0.25: R9.1 134.31,73.75
Net-(R10-Pad1): length 1.9
  Top w0.25: R10.1 148.6,35.65
Net-(R11-Pad1): length 1.9
  Top w0.25: R11.1 158.12,54.7
Net-(R12-Pad1): length 1.9
  Top w0.25: R12.1 139.07,54.7
Net-(R13-Pad1): length 1.9
  Top w0.25: R13.1 131.93,16.6
Net-(R14-Pad1): length 1.9
  Top w0.25: R14.1 162.89,92.8
Net-(R15-Pad1): length 1.9
  Top w0.25: R15.1 105.74,92.8
Net-(R16-Pad1): length 1.9
  Top w0.25: R16.1 172.41,73.75
Net-(R17-Pad1): length 1.9
  Top w0.25: R17.1 115.26,73.75
Net-(R18-Pad1): length 1.9
  Top w0.25: R18.1 177.17,54.7
Net-(R19-Pad1): length 1.9
  Top w0.25: R19.1 120.02,54.7
Net-(R20-Pad1): length 1.9
  Top w0.25: R20.1 167.65,35.65
Net-(R21-Pad1): length 1.9
  Top w0.25: R21.1 129.55,35.65
Net-(R22-Pad1): length 1.9
  Top w0.25: R22.1 181.94,92.8
Net-(R23-Pad1): length 1.9
  Top w0.25: R23.1 86.69,92.8
Net-(R24-Pad1): length 1.9
  Top w0.25: R24.1 191.46,73.75
Net-(R25-Pad1): length 1.9
  Top w0.25: R25.1 96.21,73.75
Net-(R26-Pad1): length 1.9
  Top w0.25: R26.1 196.22,54.7
Net-(R27-Pad1): length 1.9
  Top w0.25: R27.1 100.97,54.7
Net-(R28-Pad1): length 1.9
  Top w0.25: R28.1 186.7,35.65
Net-(R29-Pad1): length 1.9
  Top w0.25: R29.1 110.5,35.65
Net-(R30-Pad1): length 1.9
  Top w0.25: R30.1 200.99,92.8
Net-(R31-Pad1): length 1.9
  Top w0.25: R31.1 67.64,92.8
Net-(R32-Pad1): length 1.9
  Top w0.25: R32.1 210.51,73.75
Net-(R33-Pad1): length 1.9
  Top w0.25: R33.1 77.16,73.75
Net-(R34-Pad1): length 1.9
  Top w0.25: R34.1 215.27,54.7
Net-(R35-Pad1): length 1.9
  Top w0.25: R35.1 81.92,54.7
Net-(R36-Pad1): length 1.9
  Top w0.25: R36.1 205.75,35.65
Net-(R37-Pad1): length 1.9
  Top w0.25: R37.1 91.45,35.65
Net-(R38-Pad1): length 1.9
  Top w0.25: R38.1 220.04,92.8
Net-(R39-Pad1): length 1.9
  Top w0.25: R39.1 48.59,92.8
Net-(R40-Pad1): length 1.9
  Top w0.25: R40.1 229.56,73.75
Net-(R41-Pad1): length 1.9
  Top w0.25: R41.1 58.11,73.75
Net-(R42-Pad1): length 1.9
  Top w0.25: R42.1 234.32,54.7
Net-(R43-Pad1): length 1.9
  Top w0.25: R43.1 62.87,54.7
Net-(R44-Pad1): length 1.9
  Top w0.25: R44.1 224.8,35.65
Net-(R45-Pad1): length 1.9
  Top w0.25: R45.1 72.4,35.65
Net-(R46-Pad1): length 1.9
  Top w0.25: R46.1 239.09,92.8
Net-(R47-Pad1): length 1.9
  Top w0.25: R47.1 29.54,92.8
Net-(R48-Pad1): length 1.9
  Top w0.25: R48.1 248.61,73.75
Net-(R49-Pad1): length 1.9
  Top w0.25: R49.1 39.06,73.75
Net-(R50-Pad1): length 1.9
  Top w0.25: R50.1 253.37,54.7
Net-(R51-Pad1): length 1.9
  Top w0.25: R51.1 43.82,54.7
Net-(R52-Pad1): length 1.9
  Top w0.25: R52.1 277.19,35.65
Net-(R53-Pad1): length 1.9
  Top w0.25: R53.1 53.35,35.65
Net-(R54-Pad1): length 1.9
  Top w0.25: R54.1 267.66,92.8
Net-(R55-Pad1): length 1.9
  Top w0.25: R55.1 10.49,92.8
Net-(R56-Pad1): length 4.1
  Top w0.25: SWRet1.3 264.61,59.69
Net-(R57-Pad1): length 1.9
  Top w0.25: R57.1 15.25,73.75
Net-(R58-Pad1): length 1.9
  Top w0.25: R58.1 17.63,54.7
Net-(R61-Pad1): length 1.9
  Top w0.25: R61.1 303.38,16.6
Net-(R62-Pad1): length 1.9
  Top w0.25: R62.1 303.38,35.65
Net-(R63-Pad1): length 1.9
  Top w0.25: R63.1 303.38,73.75
Net-(R64-Pad1): length 1.9
  Top w0.25: R64.1 303.38,92.8

## Copper pours and planes (outline as drawn; the poured copper is in the pictures)
GND on Top, Bottom: -0.68,97.48 316.52,97.63 316.37,-0.8 -0.68,-0.74

## Text on the board
B.Silkscreen: C7 | C8 | R2 | R4 | R6 | R8 | (R8,C9) | (R5,C9) | (R7,C2) | x | Option | R1 | Start | R3 | R5 | R7 | Reset | GND | C9 | C1 | C2 | C3 | C4 | C5 | C6 | (R1,C9) | (R3,C8) | 5V | LED / GND | Select | Decent 400 rev. 2W © Bertrand Le Roy 2023 github.com/bleroy/3d-junkyard/tree/main/Decent400 / atariage.com/forums/profile/76850-screamingattheradio/ twitch.tv/screamingattheradio youtube.com/@ScreamingAtTheRadio | Set | _ | \ | | | Return | Caps | Space | Del | Break | ATARI | Control | Esc | Clr | Shift | ! | Q | A | {dblquote} | Z | W | S | # | X | E | D | $ | C | R | F | % | V | T | G | & | B | Y | H | N | U | J | M | I | K | ( | [ | O | L | ) | ] | P | : | Clear | ? | Insert | 1 | 2 | 3 | 4 | 5 | 6 | 7 | 8 | 9 | 0 | Tab | , | . | ; | / | - | + | = | ' | @ | < | > | ^ | *
F.Silkscreen: Backlight | Decent 400 rev. 2W © Bertrand Le Roy 2023 / github.com/bleroy/3d-junkyard/tree/main/Decent400 / atariage.com/forums/profile/76850-screamingattheradio/ / twitch.tv/screamingattheradio / youtube.com/@ScreamingAtTheRadio | Clr | Shift | Esc | ! | Q | A | {dblquote} | Z | W | S | # | X | E | D | $ | C | R | F | % | V | T | G | & | B | Y | H | N | U | J | M | I | K | ( | [ | O | L | ) | ] | P | : | Clear | ? | Insert | ATARI | Caps | 1 | 2 | Control | 3 | 4 | 5 | 6 | Space | 7 | 8 | 9 | 0 | Break | Del | Tab | , | . | ; | / | - | + | = | Set | _ | \ | | | Return | Reset | Option | Select | Start | ' | @ | < | > | *
